# Altium PCB Ctrl-FOC-Lite.PcbDoc
Units mil, origin at the board's own origin, x right, y up, seen from the top; angles counter-clockwise.
Board outline 1571 x 1572.99 mil, 4 copper layers (Top1, GND, VCC, Bottom4), stack 32.017 mil thick; 65 components, 47 nets, 246 pads, 208 vias.
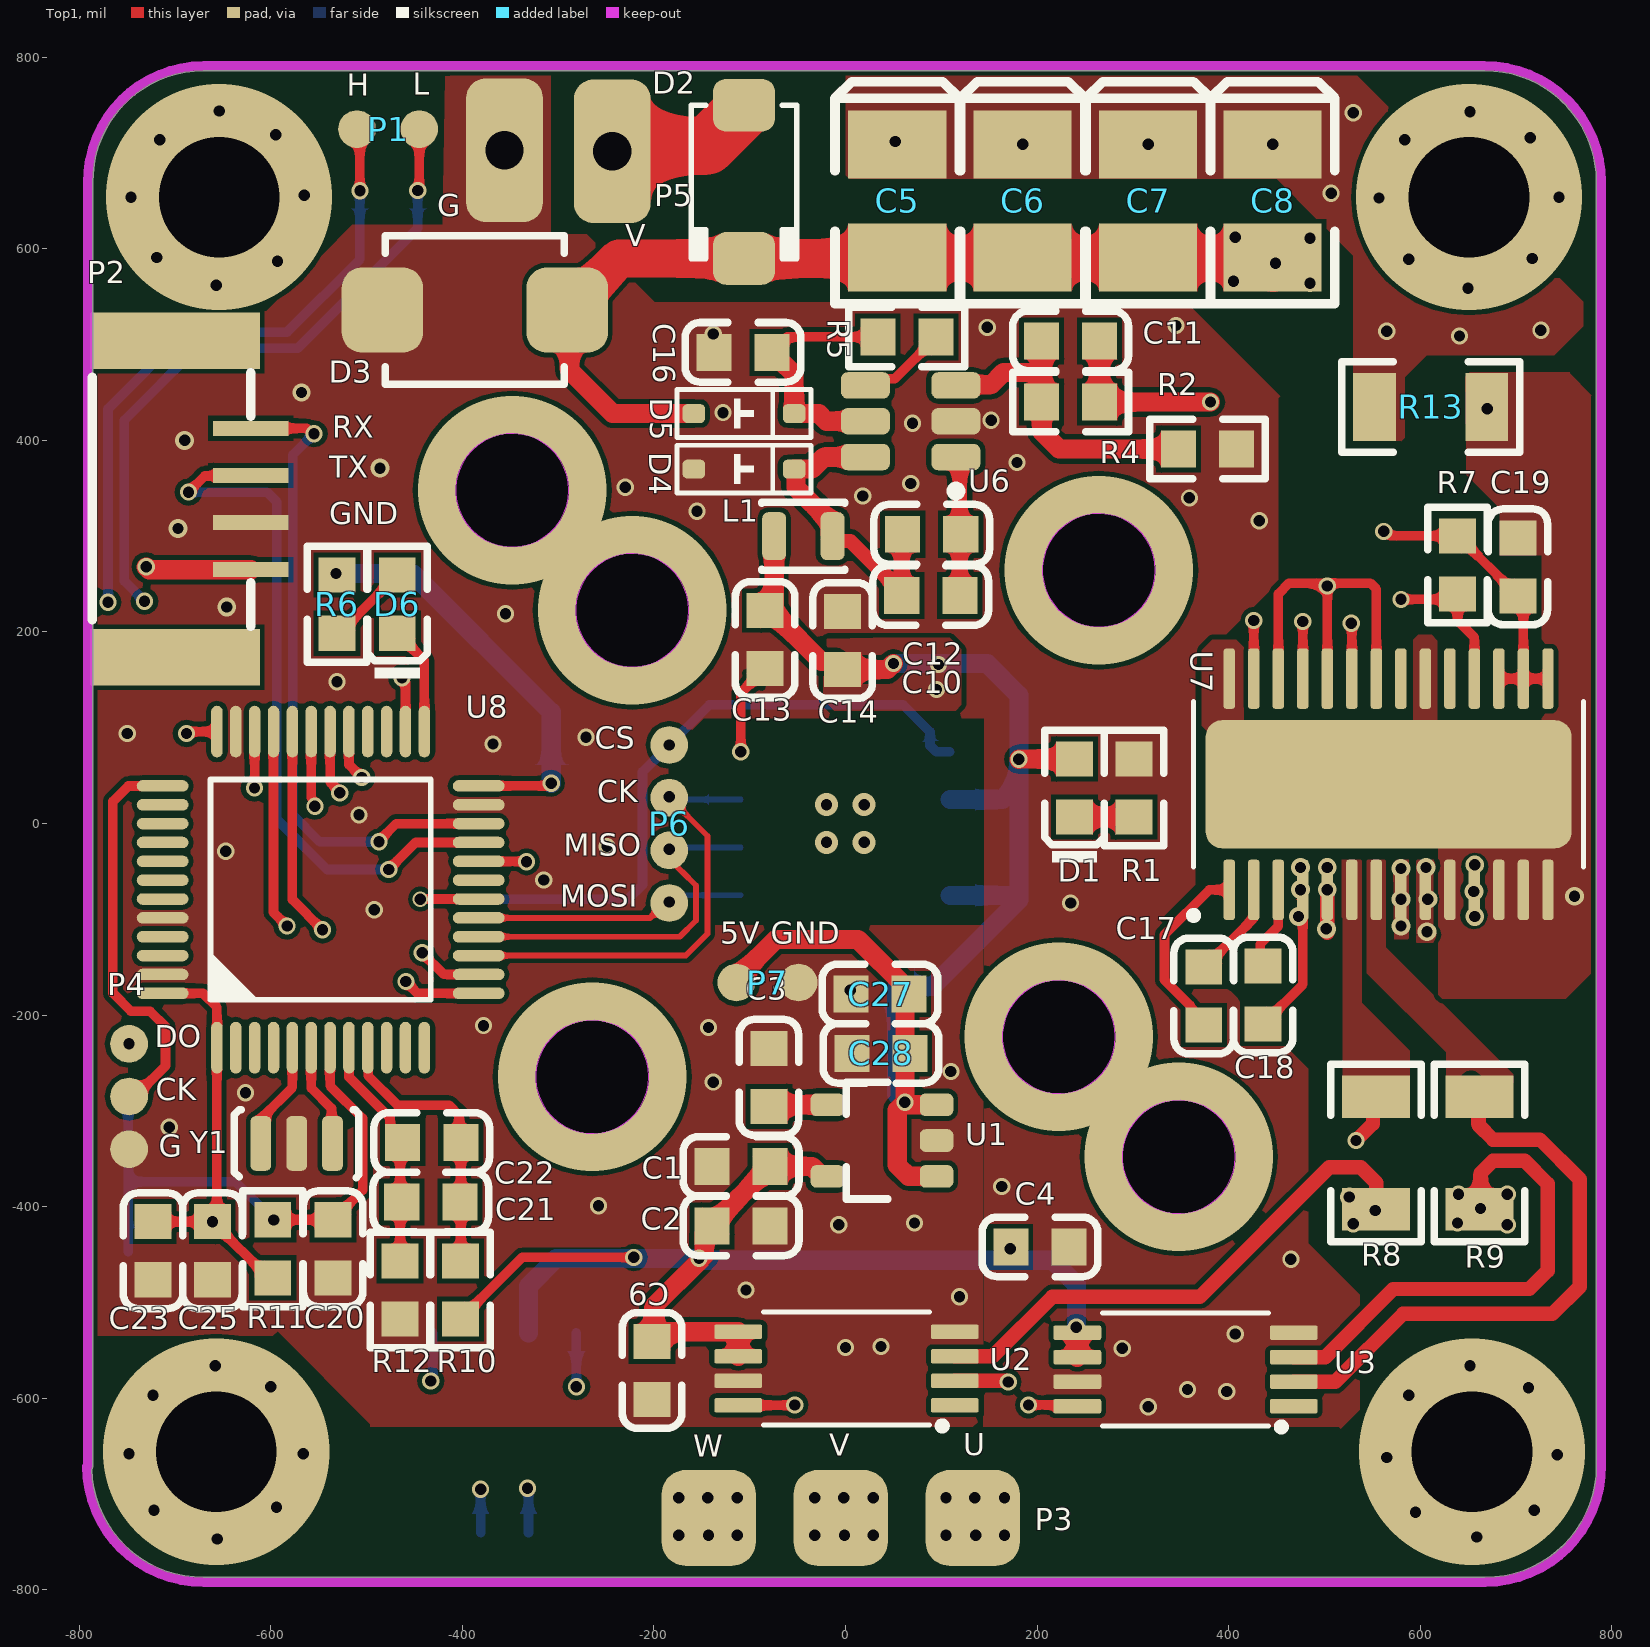
[diagram p0: Top1 view]
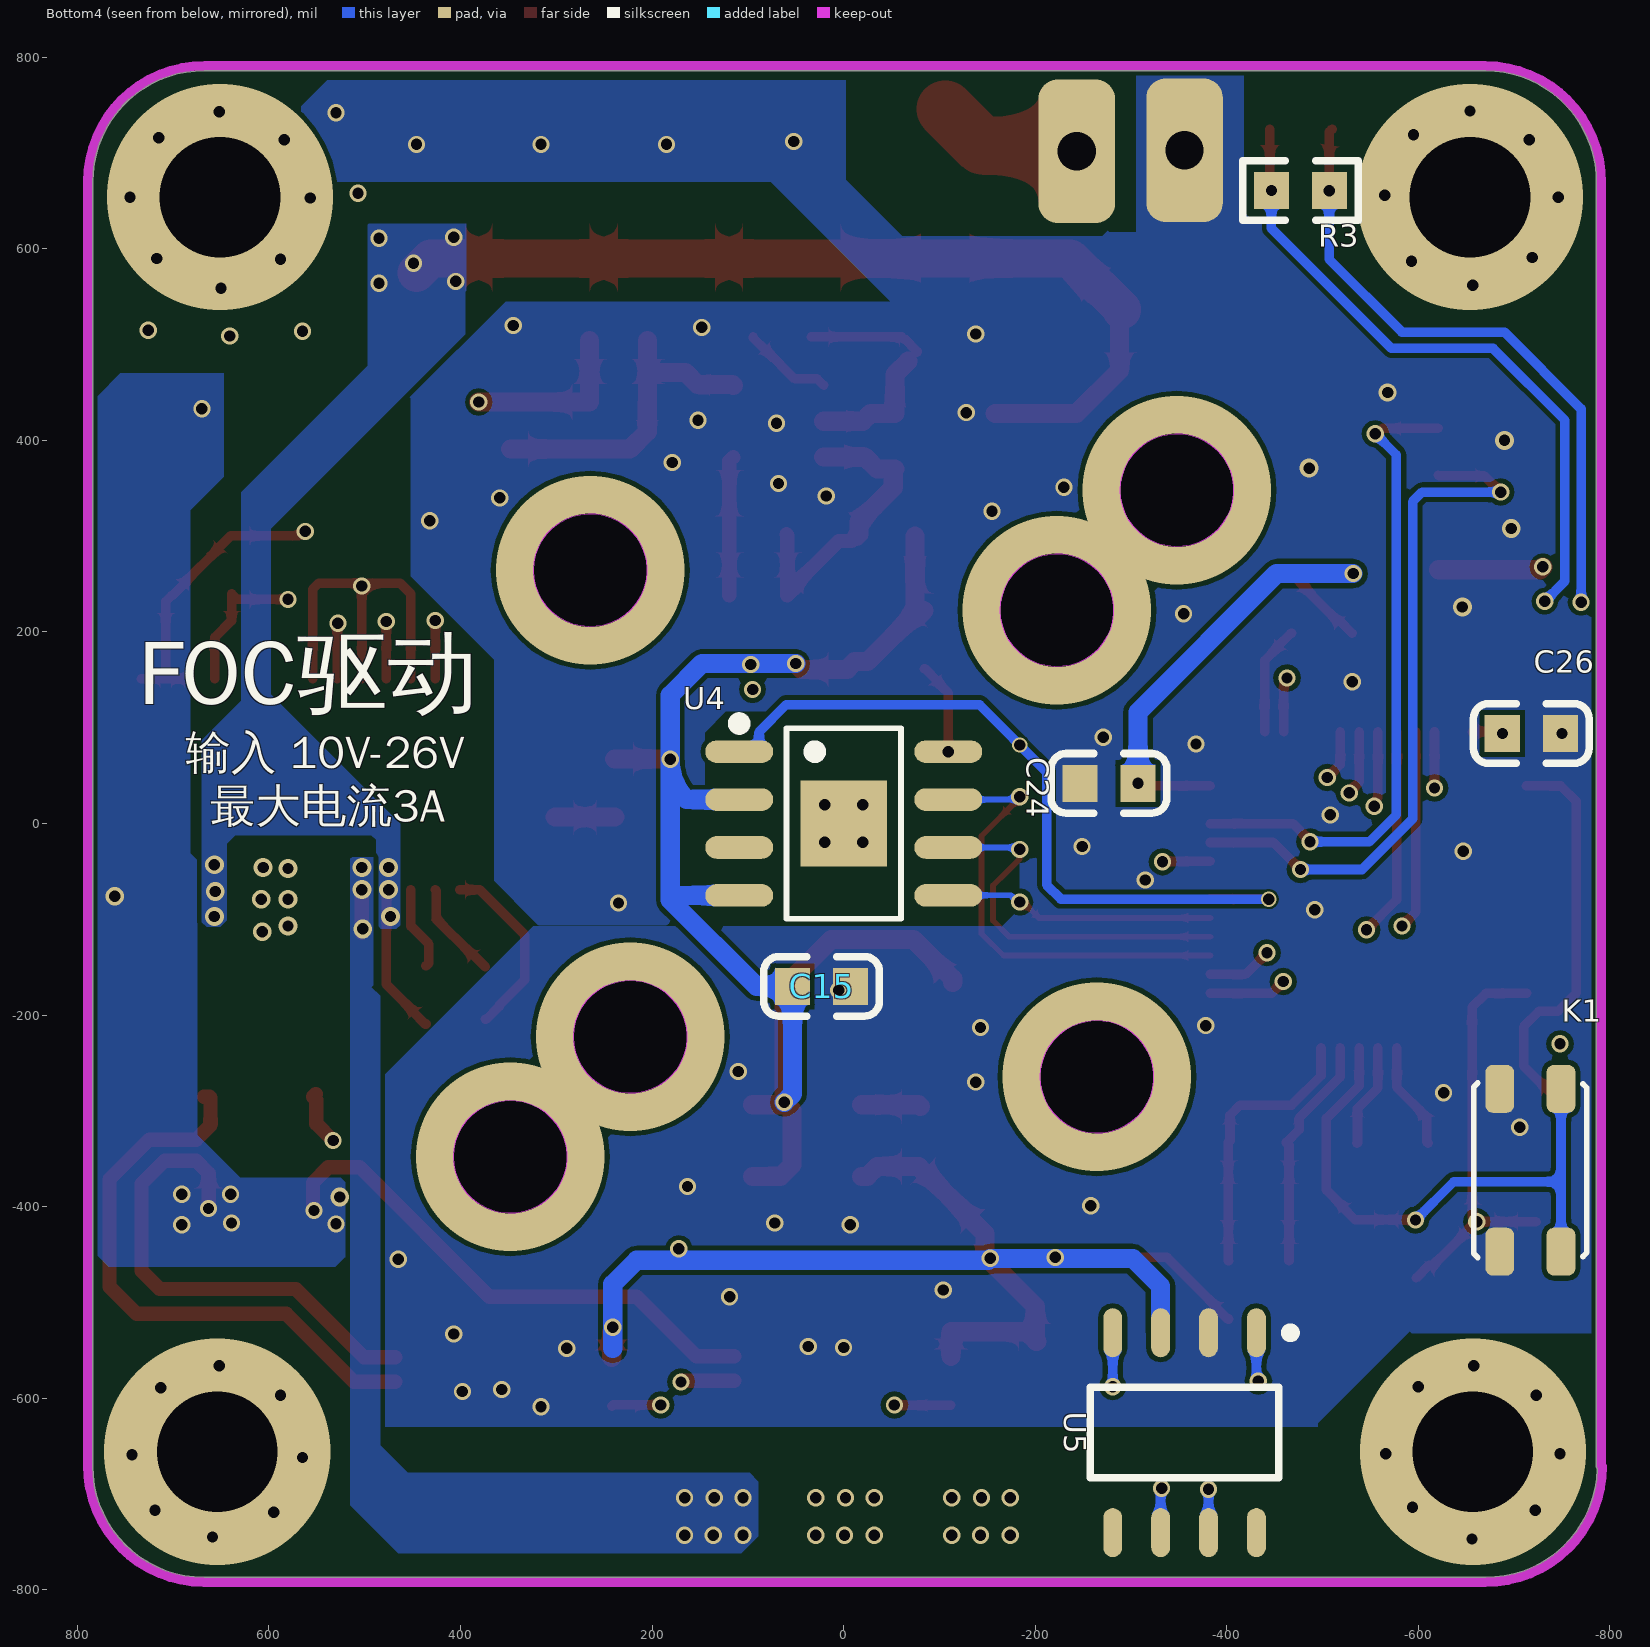
[diagram p1: Bottom4 view, seen from below]
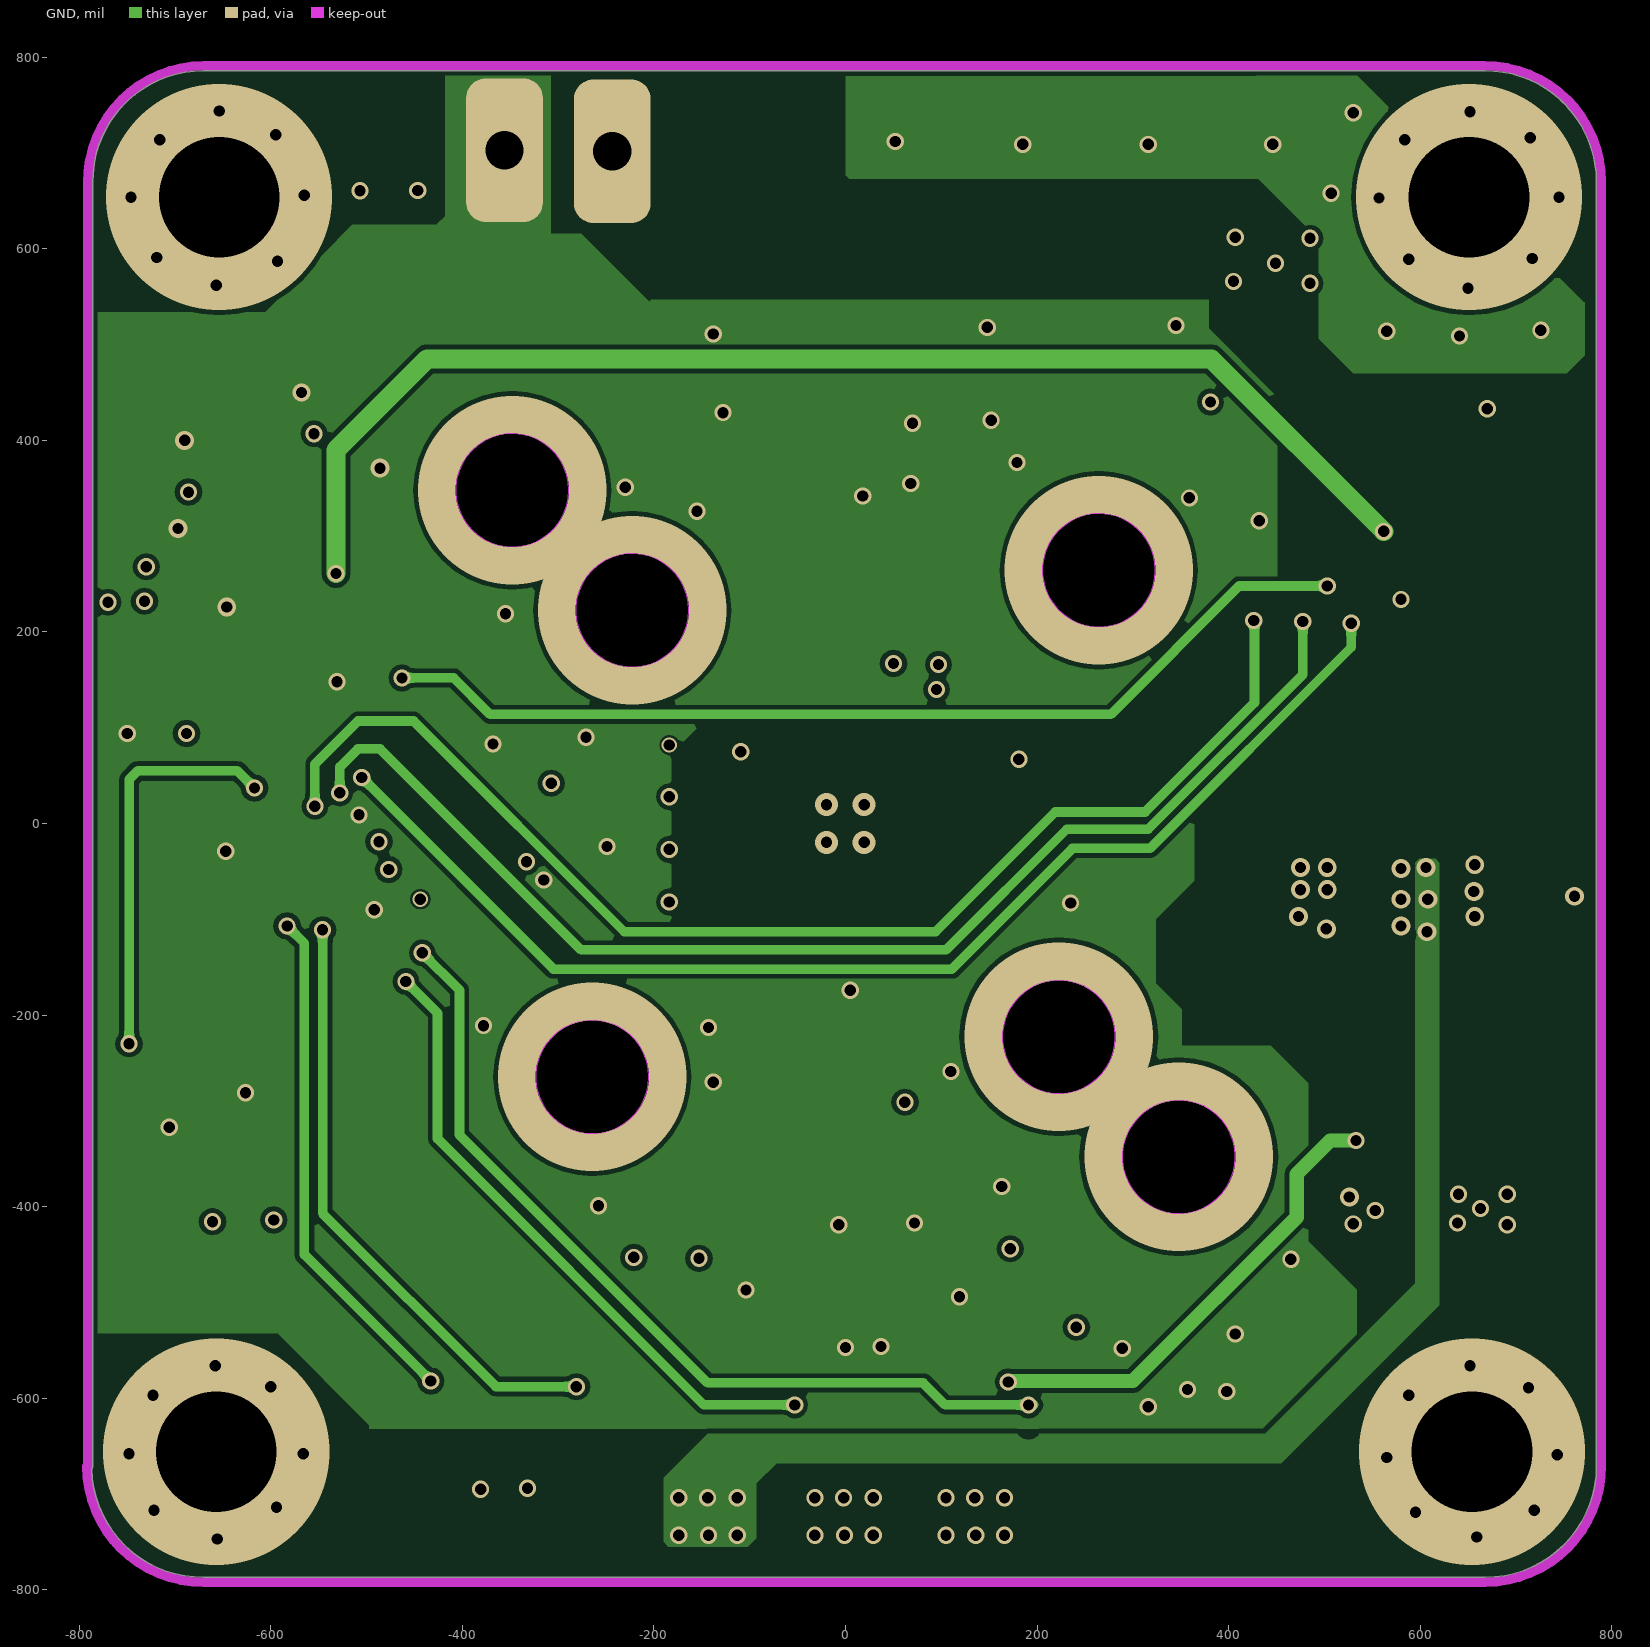
[diagram p2: GND]
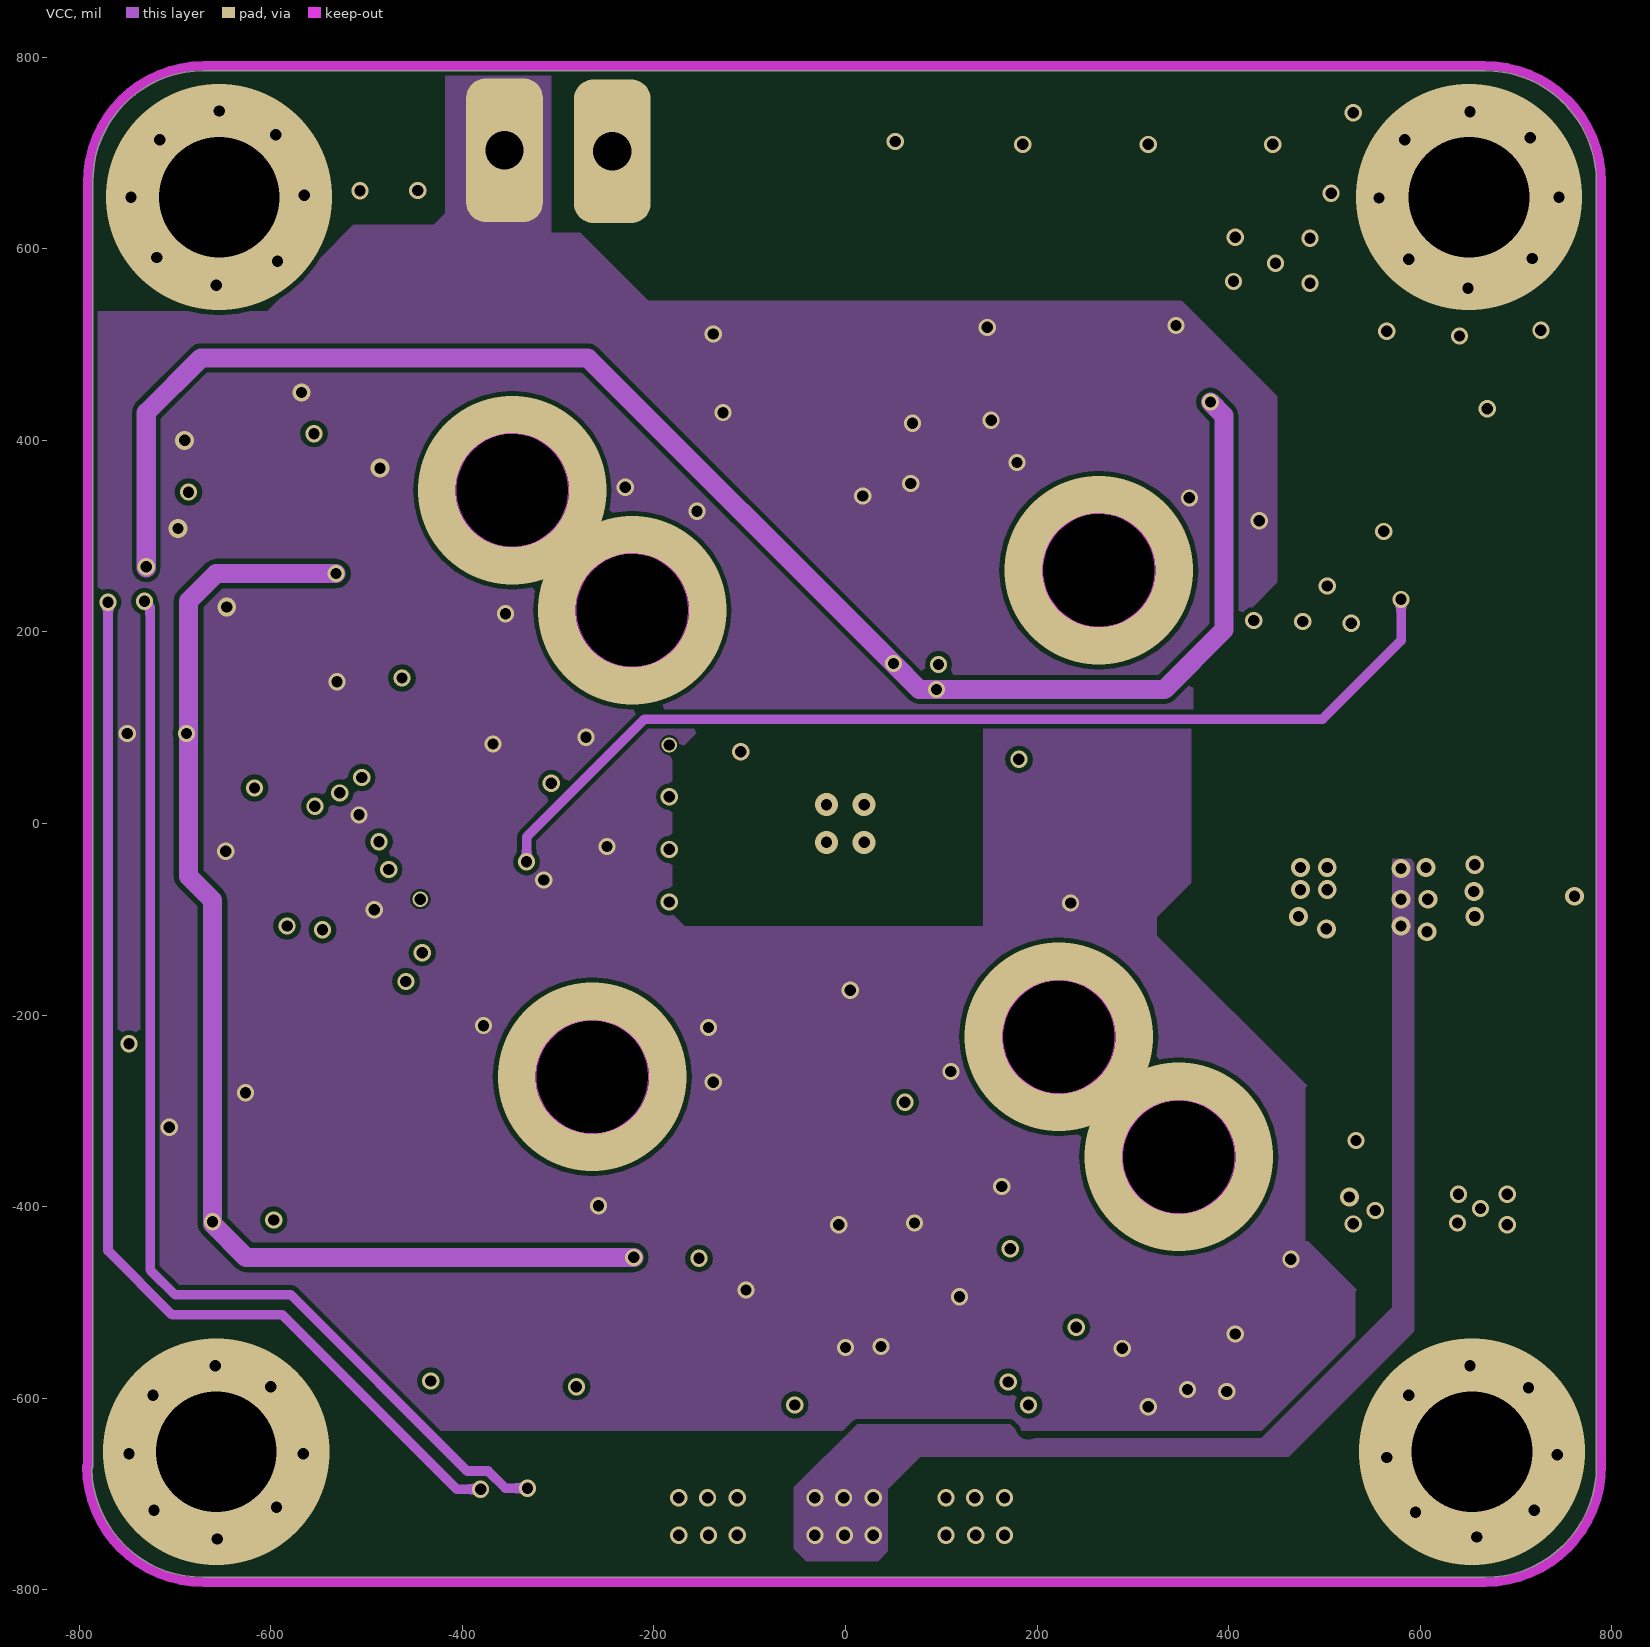
[diagram p3: VCC]
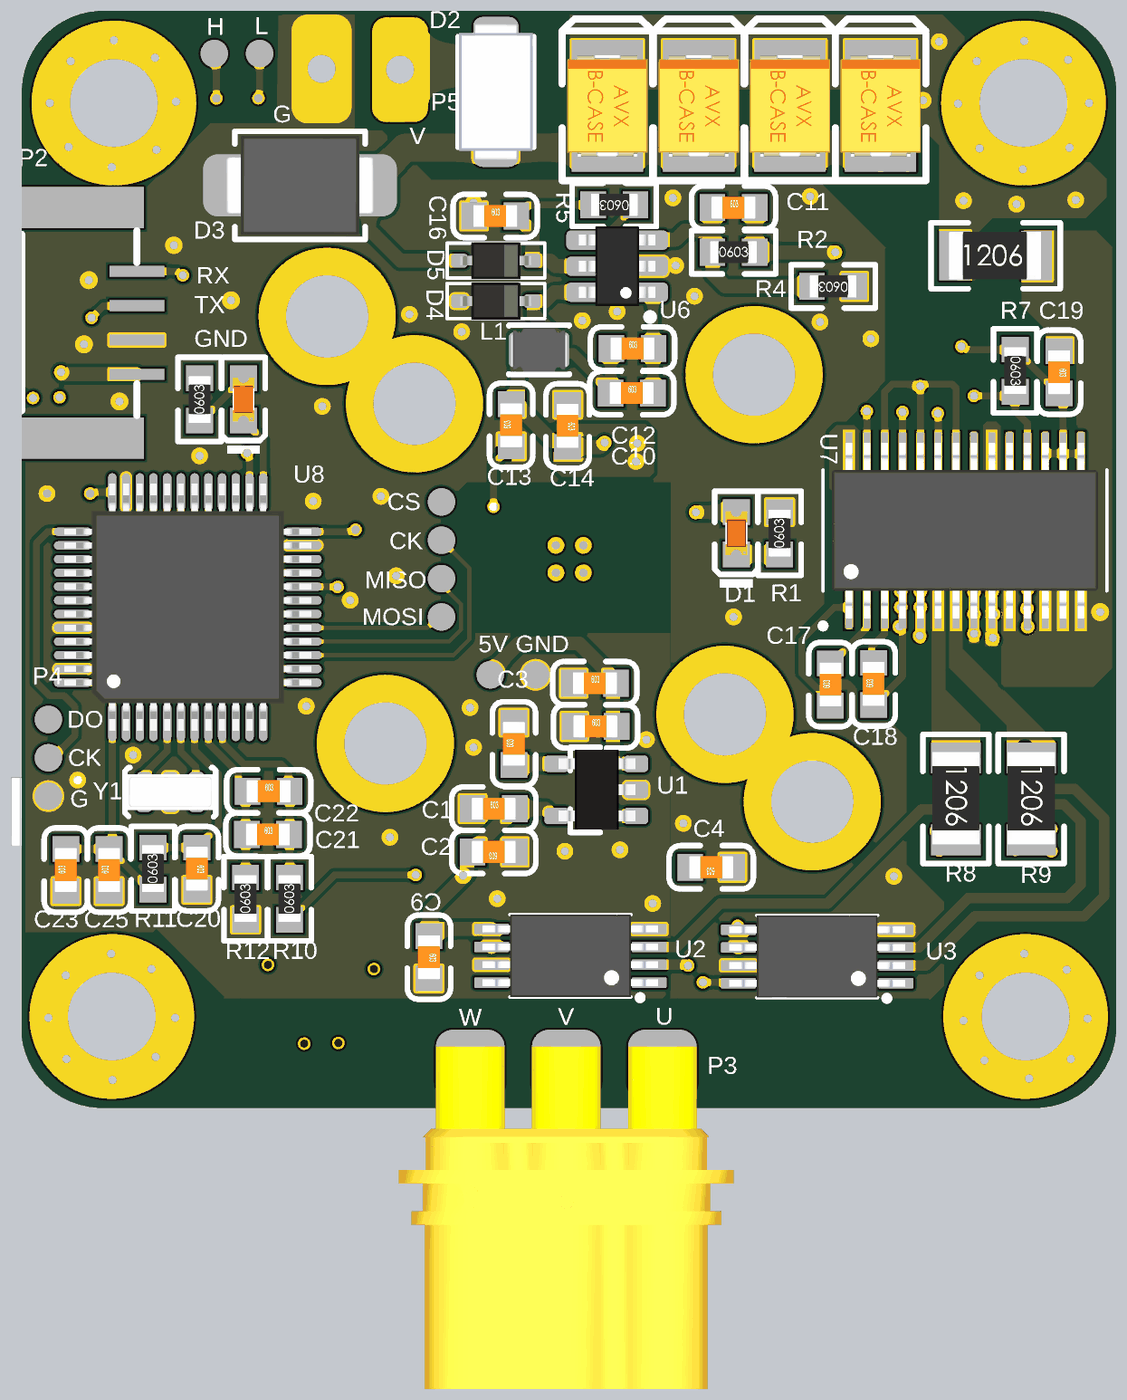
[diagram p4: 3D render of the assembled board from above, using the file's embedded part models]
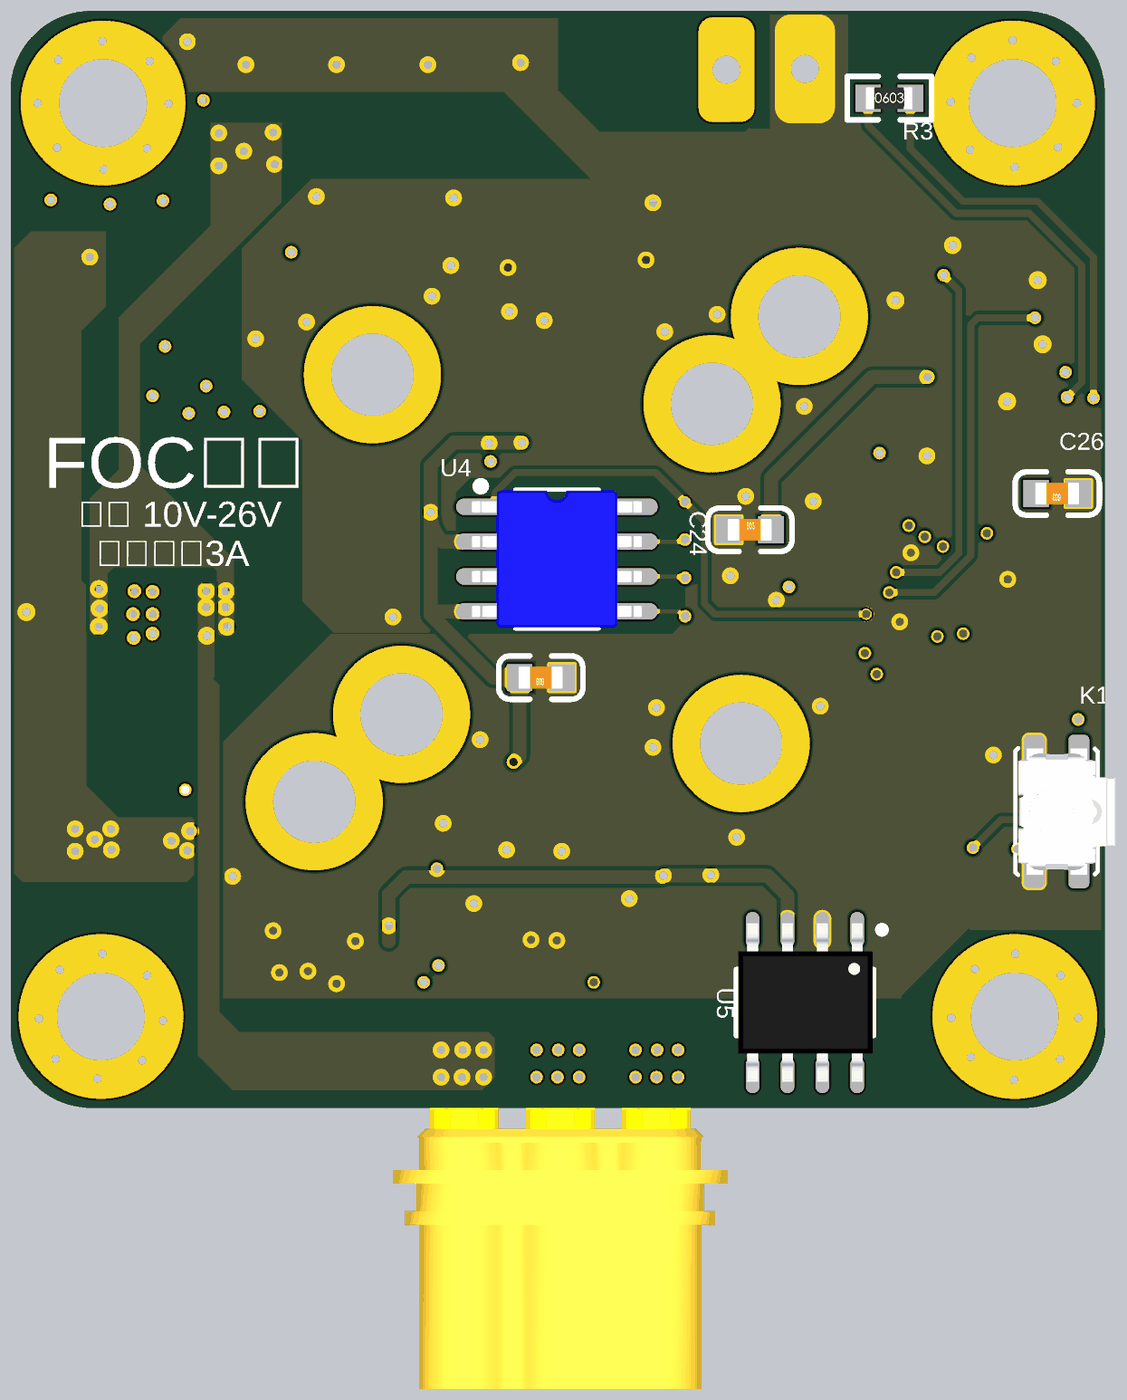
[diagram p5: 3D render of the assembled board from below, using the file's embedded part models]

## Layer stack, top to bottom
Top Solder: solder mask 0.4, Solder Resist, Dk 3.5
Top1: signal copper 1.4
Dielectric1: core 11.811, FR-4, Dk 4.2
GND: signal copper 1.378
Dielectric 2: prepreg 2.8, PP-006, Dk 4.1
VCC: signal copper 1.417
Dielectric 3: core 11.811, Dk 4.2
Bottom4: signal copper 1.4
Bottom Solder: solder mask 0.4, Solder Resist, Dk 3.5

## Board outline
-670.08,-786.99 cw(c-670.04,-792) -670,-786.99 668,-786.99 ccw(c668,-670.98) 784,-670.98 ccw(c668,-670.98) 784,-670.37 cw(c789,-669.98) 783.98,-669.98 783.98,670 cw(c789,670) 783.98,670.03 ccw(c667.98,670) 667.37,786 cw(c666.98,791) 666.98,785.98 -669.99,785.98 cw(c-669.99,791) -670.46,786.01 ccw(c-669.99,670.01) -785.99,669.05 cw(c-791,669.01) -785.99,669.01 -785.99,-670.99 cw(c-791,-670.99) -787,-674.01 ccw(c-671.04,-670.99)
